# Altium PCB MB1720.PcbDoc (part 1 of 3)
Units mm, origin at the board's own origin, x right, y up, seen from the top; angles counter-clockwise.
Board outline 62.41 x 34.1 mm, 4 copper layers (Top Layer, MidLayer 1, MidLayer 2, Bottom Layer), stack 1.594 mm thick; 78 components, 65 nets, 237 pads, 1423 vias.
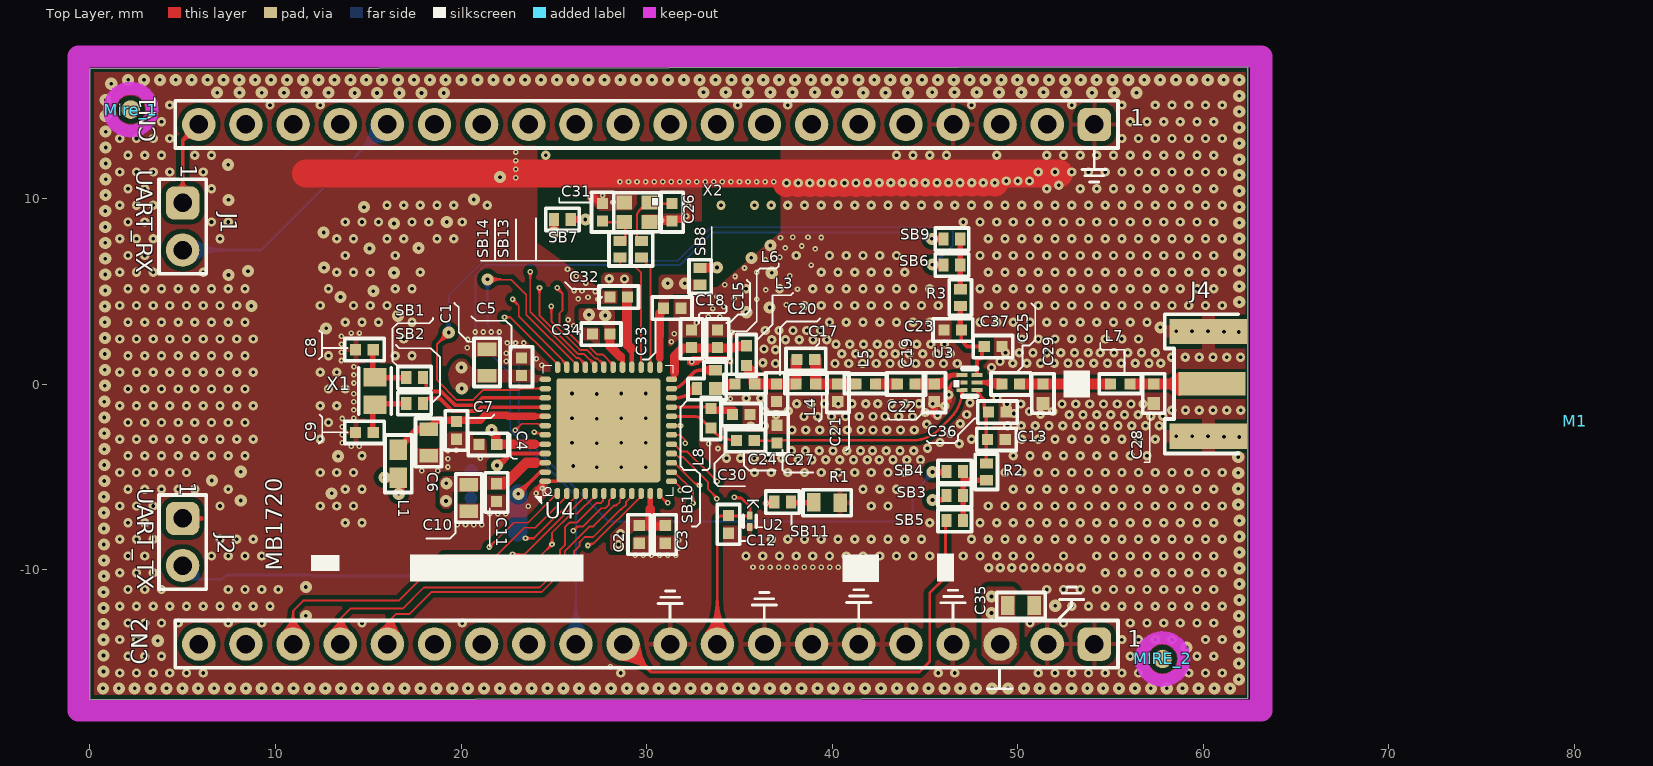
[diagram p0: Top Layer view]
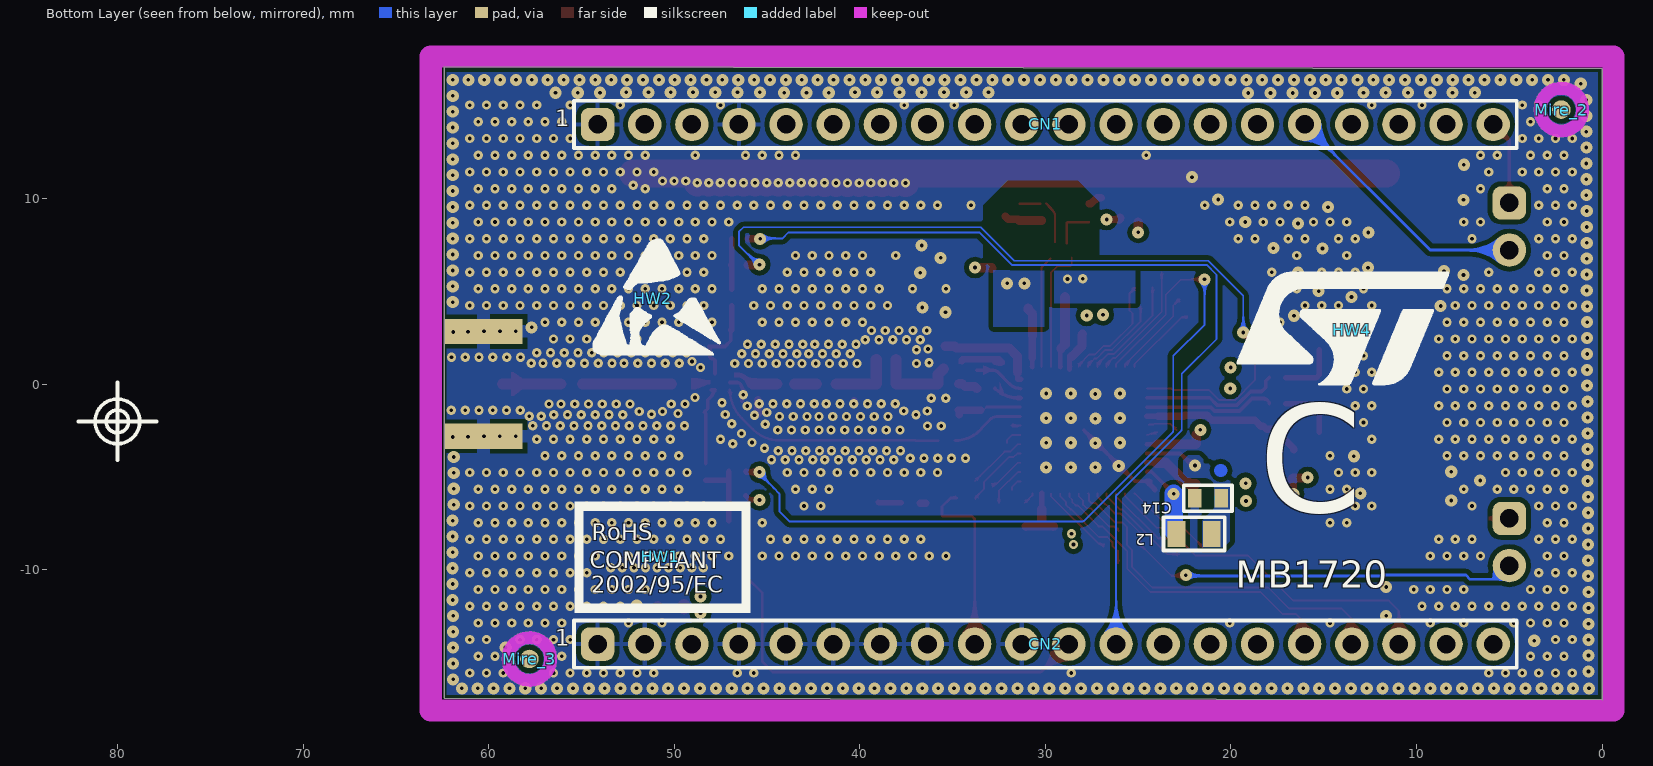
[diagram p1: Bottom Layer view, seen from below]
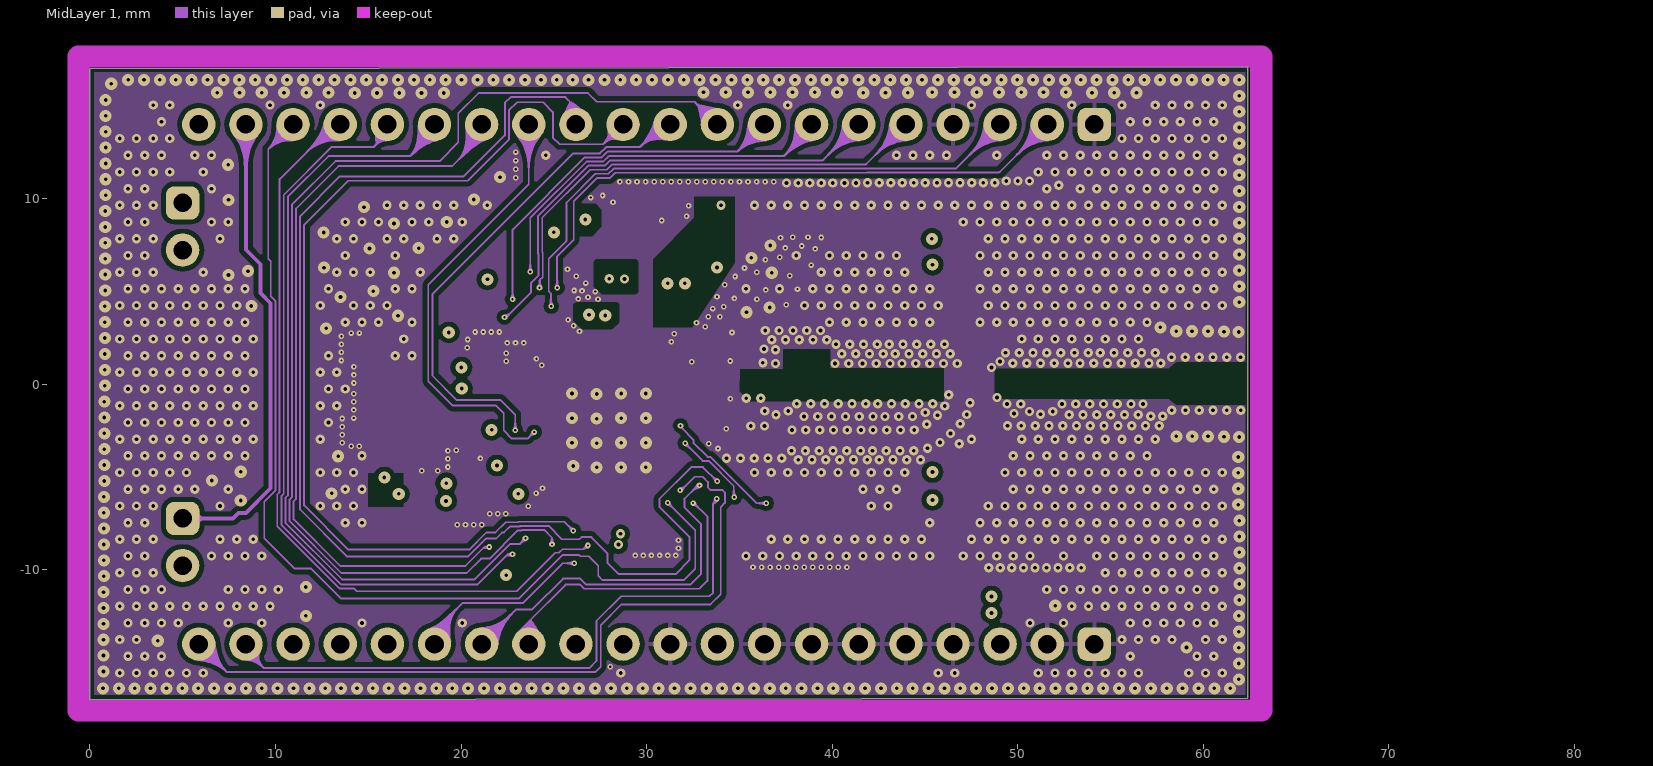
[diagram p2: MidLayer 1]
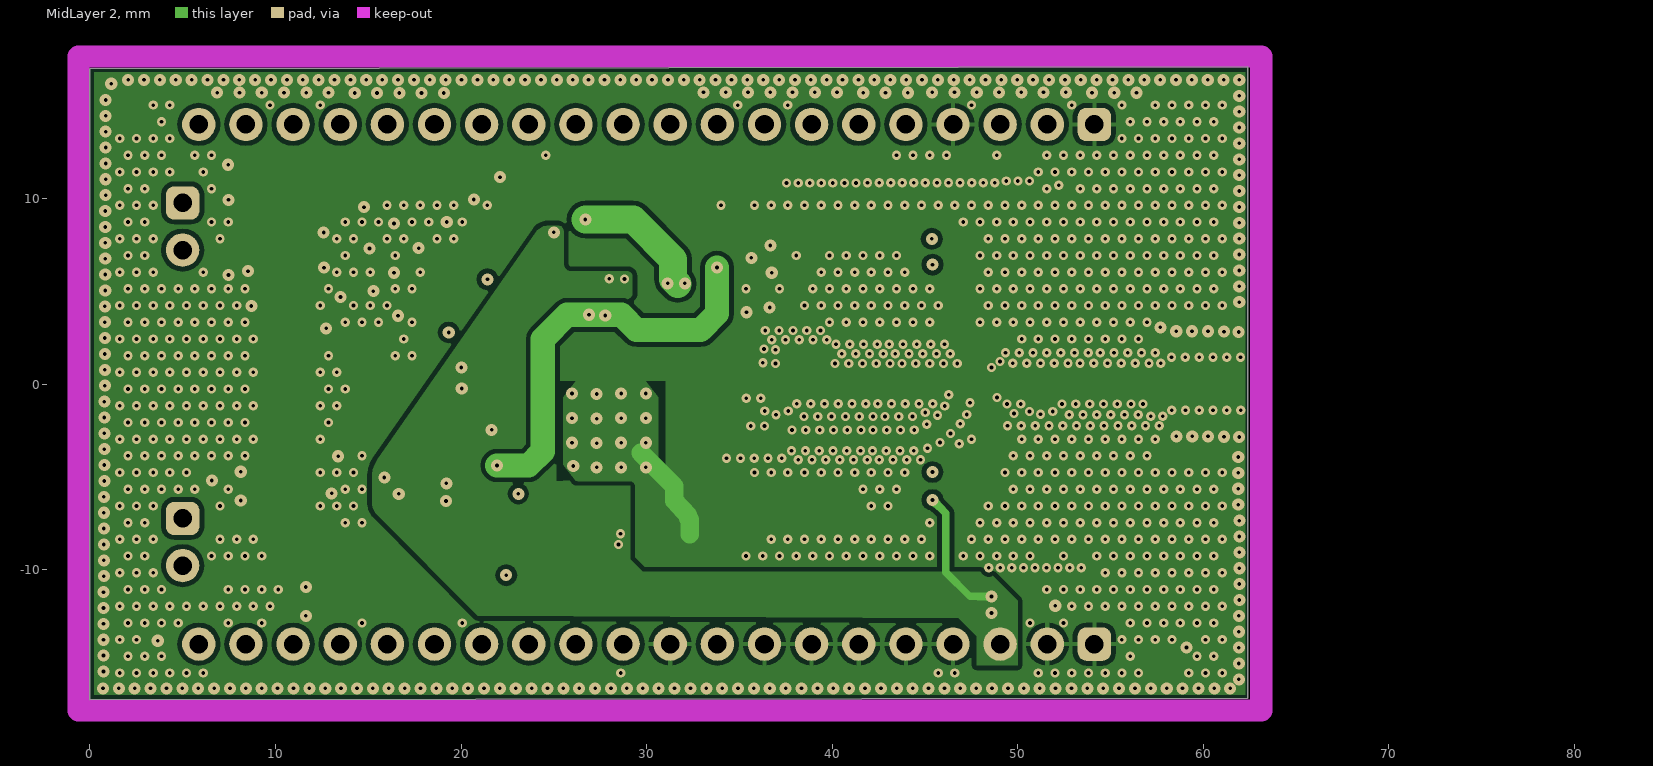
[diagram p3: MidLayer 2]
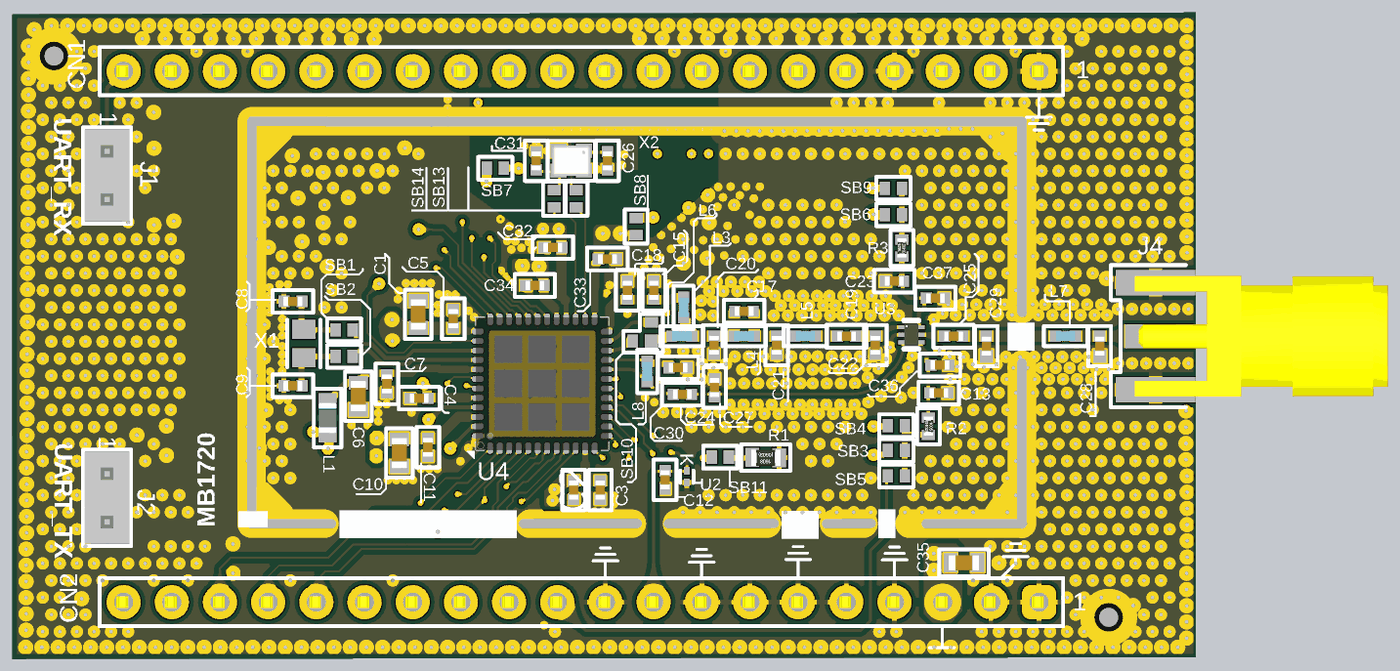
[diagram p6: 3D render of the assembled board from above, using the file's embedded part models]
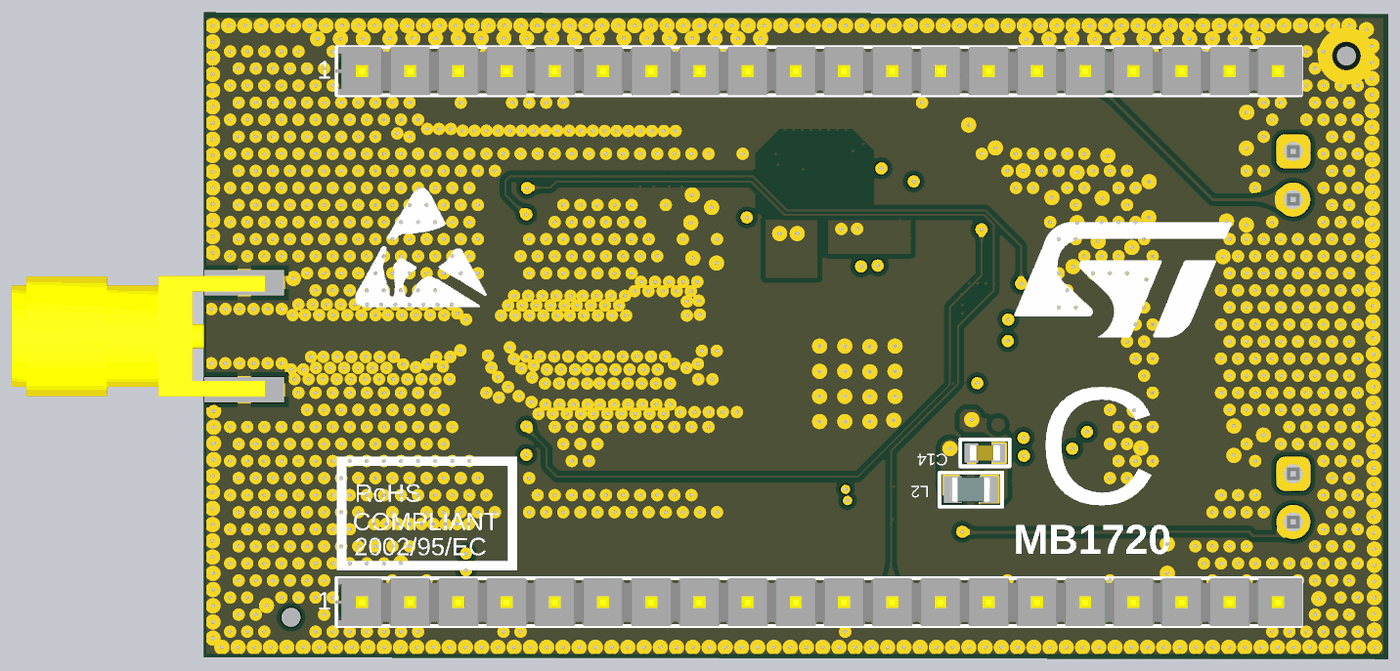
[diagram p7: 3D render of the assembled board from below, using the file's embedded part models]

## Layer stack, top to bottom
Top Solder: solder mask 0.02, Solder Resist, Dk 3.5
Top Layer: signal copper 0.054
Dielectric 1: prepreg 0.108, 1 X 2116, Dk 3.6
MidLayer 1: signal copper 0.035
Dielectric 2: core 1.2, FR4 TG135, Dk 4.7
MidLayer 2: signal copper 0.035
Dielectric 3: prepreg 0.108, 1 X 2116, Dk 3.6
Bottom Layer: signal copper 0.054
Bottom Solder: solder mask 0.02, Solder Resist, Dk 3.5

## Board outline
0,-17 -0.009,17.005 62.391,17.098 62.401,-16.907

## Design rules (kind name [scope] priority, off if disabled: settings)
BoardOutlineClearance [All] p1 off: gap=0.6 ignorepadtopadclearanceinfootprint=FALSE
Clearance Clearance_2 [InNetClass('50Ohms')] p1: gap=0.19 ignorepadtopadclearanceinfootprint=TRUE except(0.14: SMDPad-Region; 0.15: SMDPad-SMDPad; 0.17: Track-SMDPad; 0.18: Track-Poly)
Clearance Clearance_1 [OnLayer('MidLayer 1')       and InPolygon vs All    and WithinRoom('RoomDefinition_BGA')] p2: gap=0.146 ignorepadtopadclearanceinfootprint=TRUE
Clearance Clearance_tab [(ObjectKind = 'Pad') And (Name Like 'Tab*-*') vs OnLayer('Keep-Out Layer')] p3: gap=0 ignorepadtopadclearanceinfootprint=TRUE
Clearance Clearance_Via_BGA [TouchesRoom('RoomDefinition_BGA') vs isvia or ispad or istrack] p4: gap=0.085 ignorepadtopadclearanceinfootprint=TRUE except(0.15: Arc-Region Track-Region SMDPad-Region THPad-Region Via-Region Region-Region; 0.25: Arc-Fill Arc-Poly Track-Fill Track-Poly SMDPad-Fill SMDPad-Poly THPad-Fill THPad-Poly Via-Fill Via-Poly Fill-Fill Fill-Poly Fill-Region Fill-Text Fill-Hole Poly-Poly Poly-Region Poly-Text Poly-Hole Region-Text Region-Hole)
Clearance Clearance_via_to_via [(ObjectKind = 'Via') And (Net <> 'GND') vs (ObjectKind = 'Via') And (Net <> 'GND')] p5: gap=0.65 ignorepadtopadclearanceinfootprint=TRUE
Clearance "Clearance_Polygon to All" [InPolygon] p6: gap=0.25 ignorepadtopadclearanceinfootprint=TRUE
Clearance [All] p7: gap=0.12 ignorepadtopadclearanceinfootprint=TRUE except(0.25: Arc-Via Track-Via SMDPad-Via THPad-Via Via-Fill Via-Poly Via-Region)
ComponentClearance [All] p1: gap=0 collisioncheckmode=3 verticalgap=0.1 showdistances=FALSE
DiffPairsRouting [InDifferentialPair('RFI')] p1: maxlimit=0.165 minlimit=0.165 mostfreqgap=0.165 toplayer_minwidth=0.08 toplayer_maxwidth=0.4 toplayer_prefwidth=0.145 midlayer1_minwidth=0.145 midlayer1_maxwidth=0.145 midlayer1_prefwidth=0.145 midlayer2_minwidth=0.145 midlayer2_maxwidth=0.145 midlayer2_prefwidth=0.145 bottomlayer_minwidth=0.145 bottomlayer_maxwidth=0.145 bottomlayer_prefwidth=0.145 maxuncoupledlength=12.7
HoleSize [All] p1: absolutevalues=TRUE maxlimit=10 minlimit=0.025 maxpercent=80.000 minpercent=20.000
MaximumViaCount [All] p1: limit=3
MinimumSolderMaskSliver [All] p1: minsoldermaskwidth=0.1
PlaneConnect [InNet('GND')] p1: planeconnectstyle=Relief reliefexpansion=0.508 reliefentries=4 reliefconductorwidth=0.21 reliefairgap=0.21
PolygonConnect PolygonConnect_6 [InNet('VDDRF1V55')] p1: connectstyle=Direct reliefconductorwidth=0.254 reliefentries=4 polygonreliefangle="90 Angle" airgapwidth=0.254
PolygonConnect PolygonConnect_5 [InNet('VDDRF1V55')] p2: connectstyle=Direct reliefconductorwidth=0.254 reliefentries=4 polygonreliefangle="90 Angle" airgapwidth=0.254
PolygonConnect PolygonConnect_4 [InNet('vDDRF')] p3: connectstyle=Direct reliefconductorwidth=0.254 reliefentries=4 polygonreliefangle="90 Angle" airgapwidth=0.254
PolygonConnect PolygonConnect_3 [InNet('VDDPA')] p4: connectstyle=Direct reliefconductorwidth=0.254 reliefentries=4 polygonreliefangle="90 Angle" airgapwidth=0.254
PolygonConnect PolygonConnect_1 [InNet('VDDRF1V55')] p5: connectstyle=Direct reliefconductorwidth=0.254 reliefentries=4 polygonreliefangle="90 Angle" airgapwidth=0.254
PolygonConnect [InNet('VDD')] p6: connectstyle=Direct reliefconductorwidth=0.254 reliefentries=4 polygonreliefangle="90 Angle" airgapwidth=0.254
PolygonConnect PolygonConnect_VRPA [InNet('VRPA')] p7: connectstyle=Direct reliefconductorwidth=0.254 reliefentries=4 polygonreliefangle="90 Angle" airgapwidth=0.254
PolygonConnect PolygonConnect_RF [(ObjectKind = 'Pad') And (Name = 'C30-1')           or (ObjectKind = 'Pad') And (Name = 'C27-1')] p8: connectstyle=Direct reliefconductorwidth=0.254 reliefentries=4 polygonreliefangle="90 Angle" airgapwidth=0.254
PolygonConnect PolygonConnect_J1 [(ObjectKind = 'Pad') And (Name = 'J1-2')] p9: connectstyle=Direct reliefconductorwidth=0.254 reliefentries=4 polygonreliefangle="90 Angle" airgapwidth=0.254
PolygonConnect PolygonConnect_All [All] p10: thpad.connectstyle=Relief thpad.reliefconductorwidth=0.25 thpad.reliefentries=4 thpad.polygonreliefangle="90 Angle" thpad.airgapwidth=0.25 smdpad.connectstyle=Relief smdpad.reliefconductorwidth=0.25 smdpad.reliefentries=4 smdpad.polygonreliefangle="90 Angle" smdpad.airgapwidth=0.25 via.connectstyle=Direct via.reliefconductorwidth=0.2 via.reliefentries=4 via.polygonreliefangle="90 Angle" via.airgapwidth=0.25
RoutingLayers "RoutingLayers_90 Ohms" [InDifferentialPairClass('All Differential Pairs')] p1: top layer_v5=TRUE mid layer 1_v5=TRUE mid layer 2_v5=TRUE bottom layer_v5=TRUE
RoutingLayers [All] p2: top layer_v5=TRUE mid layer 1_v5=TRUE mid layer 2_v5=TRUE bottom layer_v5=TRUE
RoutingVias RoutingVias_BGA [InDrillLayerPair('Top Layer - MidLayer 1')] p1: holewidth=0.125 width=0.25 viastyle="Through Hole" minholewidth=0.125 minwidth=0.25 maxholewidth=0.125 maxwidth=0.3
RoutingVias [All] p2: holewidth=0.2 width=0.65 viastyle="Through Hole" minholewidth=0.2 minwidth=0.5 maxholewidth=0.2 maxwidth=0.65
ShortCircuit [(ObjectKind = 'Via') And (DrillPair = 'Top Layer - MidLayer 1') vs Ispad] p1: allowed=TRUE
SilkToSilkClearance [All] p1: silktosilkclearance=0.2
SilkToSolderMaskClearance [IsPad] p1: minsilkscreentomaskgap=0.2 clearancetoexposedcopper=TRUE
SolderMaskExpansion SolderMaskExpansion_VIA [IsVia] p1: expansion=-0.2 istentingtop=FALSE
SolderMaskExpansion [All] p2: expansion=0.075 istentingtop=FALSE
Width Width_BGA [OnLayer('Top Layer')      and WithinRoom('RoomDefinition_BGA')] p1: maxlimit=0.08 minlimit=0.08 preferedwidth=0.08 minimp=50.000000 maximp=50.000000 favimp=50.000000
Width Width_50Ohms [InNetClass('50Ohms')] p2: maxlimit=0.7 minlimit=0.097 preferedwidth=0.5 toplayer_minwidth=0.14 midlayer1_maxwidth=0.5 midlayer2_minwidth=0.2 midlayer2_maxwidth=0.5 bottomlayer_minwidth=0.2 bottomlayer_maxwidth=0.5 minimp=50.000000 maximp=50.000000 favimp=50.000000
Width [All] p3: maxlimit=2 minlimit=0.08 preferedwidth=0.15 toplayer_minwidth=0.097 toplayer_maxwidth=1.5 midlayer1_maxwidth=1 midlayer2_minwidth=0.1 bottomlayer_minwidth=0.1 bottomlayer_maxwidth=1.5 minimp=50.000000 maximp=50.000000 favimp=50.000000
21 further rules are at their usual default settings.

## Classes and differential pairs
net class 50Ohms: NetC17_1 NetC17_2 NetC19_1 NetC19_2 NetC24_2 NetC25_1 NetC25_2 NetC28_1
component class STM32WL_UFQFPN48_Ref_Board: C1 C2 C3 C4 C5 C6 C7 C8 C9 C10 C11 C12 C13 C14 C15 C17 C18 C19 C20 C21 C22 C23 C24 C25 C26 C27 C28 C29 C30 C31 C32 C33 C34 C35 C36 C37 CN1 CN2 J1 J2 J4 L1 L2 L3 L4 L5 L6 L7 L8 R1 R2 R3 SB1 SB2 SB3 SB4 SB5 SB6 SB7 SB8 SB9 SB10 SB11 SB13 SB14 U2 U3 U4 X1 X2
differential pair RFI: +RFI_P -RFI_N

## Components (designator, comment, footprint, x,y, rotation, side; value= is the part's Value field where it differs from the comment)
C1 "" CAPC1608X09N 21.4,1.175 r270 top value=4.7uF
C2 "" CAPC1005X06N 29.6,-8.09 r90 top value=100nF
C3 "" CAPC1005X06N 31,-8.09 r90 top value=100nF
C4 "" CAPC1005X06N 21.449,-3.241 r0 top value=100nF
C5 "" CAPC1005X06N 23.251,0.95 r270 top value=100nF
C6 "" CAPC1608X09N 18.249,-3.139 r270 top value=4.7uF
C7 "" CAPC1005X06N 19.749,-2.488 r270 top value=100nF
C8 "Capacitor" CAPC1005X06N 14.798,1.862 r180 top value="5.1 pF"
C9 "Capacitor" CAPC1005X06N 14.798,-2.589 r180 top value="5.1 pF"
C10 "" CAPC1608X09N 20.411,-6.134 r270 top value=4.7uF
C11 "" CAPC1005X06N 21.911,-5.832 r270 top value=100nF
C12 "" CAPC1005X06N 34.413,-7.549 r270 top value=100nF
C13 "" CAPC1005X06N 48.847,-2.973 r180 top value=1nF
C14 "" CAPC1608X09N 21.243,-6.136 r0 bottom value="0.47 uF"
C15 "" CAPC1005X06N 33.823,2.45 r90 top
C17 "" CAPC1005X06N 38.581,1.345 r0 top
C18 "" CAPC1005X06N 32.423,2.45 r270 top
C19 "" CAPC1005X06N 43.98,0.025 r180 top
C20 "" CAPC1005X06N 37,-0.45 r270 top
C21 "" CAPC1005X06N 40.299,-0.45 r90 top
C22 "" CAPC1005X06N 45.5,-0.45 r90 top
C23 "" CAPC1005X06N 46.5,2.926 r0 top value=1nF
C24 "" CAPC1005X06N 35.325,-3.035 r0 top
C25 "" CAPC1005X06N 49.625,0.025 r0 top
C26 "Capacitor" CAPC1005X06N 31.375,9.275 r270 top value=N/C
C27 "" CAPC1005X06N 37.025,-2.686 r270 top
C28 "" "CAPC1005X06N - DUPLICATE - DUPLICATE" 57.325,-0.5 r270 top
C29 "" "CAPC1005X06N - DUPLICATE - DUPLICATE" 51.35,-0.5 r270 top
C30 "" CAPC1005X06N 35.1,-1.635 r180 top
C31 "Capacitor" CAPC1005X06N 27.625,9.275 r90 top value=N/C
C32 "" CAPC1005X06N 28.5,4.7 r0 top value=33pF
C33 "" CAPC1005X06N 31.375,4.1 r180 top value=33pF
C34 "" CAPC1005X06N 27.55,2.7 r0 top value=33pF
C35 "" CAPC1608X09N 50.171,-11.918 r0 top value=4.7uF
C36 "Capa_0402" CAPC1005X06N 48.901,-1.5 r180 top value="10 pF"
C37 "Capa_0402" CAPC1005X06N 48.667,2.031 r180 top value="10 pF"
CN1 "CON20" CO_SAMTEC_TSW-120-07-X-S 30,14 r180 bottom
CN2 "CON20" CO_SAMTEC_TSW-120-07-X-S 30,-14 r180 bottom
HW1 "Logo" LOGO_ROHS 50.75,-9.3 r180 bottom value="LOGO ROHS"
HW2 "Logo" LOGO_MAIN 51.15,4.6 r180 bottom value="LOGO ESD"
HW4 "Logo" LOGO_ST 13.5,2.9 r180 bottom value="LOGO ST"
J1 "HEADER_1X2_L" CO_MOLEX_22-03-2021 5,8.5 r270 top
J2 "HEADER_1X2_L" CO_MOLEX_22-03-2021 5,-8.5 r270 top
J4 "SMA_T_9.52_NF" CO_SAMTEC_SMA-J-P-ST-EMI 62.37,0.025 r90 top locked
L1 "" INDC1608X95N 16.624,-4.286 r90 top value=600R@100MHz
L2 "" INDC2012X13N 21.985,-8.061 r0 bottom value=15µH
L3 "" IND_MURATA_LQW15A 35.388,1.545 r90 top
L4 "" IND_MURATA_LQW15A 38.581,0.02 r0 top
L5 "" IND_MURATA_LQW15A 41.807,0.025 r0 top
L6 "" IND_MURATA_LQW15A 35.298,0.019 r180 top
L7 "" IND_MURATA_LQW15A 55.525,0.025 r0 top
L8 "" IND_MURATA_LQW15A 33.475,-1.835 r90 top
M1 "Comment" "MIRE PCB" 80,-2 r0 top locked
Mire_1 "Comment" MIRE#1 2.2,14.8 r0 top
MIRE_2 "Comment" MIRE#1 57.8,-14.8 r0 top
Mire_2 "Comment" MIRE#1 2.2,14.8 r180 bottom
Mire_3 "Comment" MIRE#2 57.8,-14.8 r180 bottom
R1 "" RESC1608X05N 39.723,-6.381 r180 top value=10K
R2 "" RESC1005X04N 48.303,-4.723 r270 top value=100R
R3 "" RESC1005X04N 46.9,4.676 r90 top value=100R
SB1 "Close" SB_0402 17.493,0.362 r180 top value=0
SB2 "Close" SB_0402 17.493,-1.039 r180 top value=0
SB3 "Close" SB_0402 46.603,-5.999 r0 top value=0
SB4 "Open" SB_0402 46.603,-4.699 r0 top
SB5 "Open" SB_0402 46.603,-7.348 r0 top
SB6 "Close" SB_0402 46.454,6.426 r0 top value=0
SB7 "Open" SB_0402 25.465,8.885 r180 top
SB8 "Close" SB_0402 32.887,5.808 r270 top value=0
SB9 "Open" SB_0402 46.454,7.826 r0 top
SB10 "SB_3Pads" SB3PADS_0402 33.689,0.292 r90 top
SB11 "Close" SB_0402 37.323,-6.349 r180 top value="0 ohm"
SB13 "Close" SB_0402 29.725,7.275 r90 top value=0
SB14 "Close" SB_0402 28.575,7.275 r90 top value=0
U2 "" DIOM0603X03N 35.563,-7.382 r270 top
U3 "BGS12SN6" SON40P70X40-6N 47.4,0.1 r0 top locked
U4 "STM32WLxx_QFN48" STM32WLXX_QFN48 27.94,-2.479 r90 top locked
X1 "XTAL_2_PINS" OSC_NDK_NX2012SA 15.368,-0.364 r90 top value=32.768KHz
X2 "" OSC_NDK_NX2016SA 29.475,9.275 r180 top value=32MHz

## Footprints (in the part's own frame and the unit in brackets; to place one, negate y for a bottom-side part, rotate by r counter-clockwise, add the part's x,y. Pads: shape width x height; smd on the part's side, far side on the other; paste and mask are expansions set on the pad)
CAPC1005X06N [mm] "Chip Capacitor, 2-Leads, Body 1.00x0.70x0.70mm (0402)"
  rect 0.6x0.6 smd: 1(-0.475,0) 2(0.475,0)
  silkscreen extent -1.07,-0.6 1.07,0.6, body extent -0.5,-0.25 0.5,0.25, height 0.6
"CAPC1005X06N - DUPLICATE - DUPLICATE" [mm] "Chip Capacitor, 2-Leads, Body 1.00x0.70x0.70mm (0402)"
  rect 0.6x0.6 smd: 1(-0.525,0)
  rect 0.7x0.7 smd: 2(0.525,0)
  silkscreen extent -1.07,-0.6 1.07,0.6, body extent -0.5,-0.25 0.5,0.25, height 0.6
CAPC1608X09N [mm] "Chip Capacitor, 2-Leads, Body 1.60x0.80x0.90mm (0603)"
  rect 0.725x1 smd: 1(-0.713,0) 2(0.713,0)
  Top Layer pour cut-out: -0.3,0.7 0.3,0.7 0.3,-0.7 -0.3,-0.7
  silkscreen extent -1.3,-0.7 1.3,0.7, body extent -0.8,-0.4 0.8,0.4, height 0.9
CO_MOLEX_22-03-2021 [mm]
  rrect50% 1.8x1.8 hole 1: 1(-1.27,0)
  round 1.8 hole 1: 2(1.27,0)
  silkscreen extent -2.54,-1.27 2.54,1.27, body extent -2.41,-1.18 2.41,1.18, height 10.79
CO_SAMTEC_SMA-J-P-ST-EMI [mm] "SMA Jack CMS, Edge Mountt Receptacle 50Ohm, 5-Leads, Body 6.35x6.35x9.52mm, pitch 2.825mm"
  rect 1.27x3.6 smd mask+0.05: 1(0,1.9)
  rect 1.35x4.2 smd mask+0.05: 2(-2.825,2.1) 2(2.825,2.1)
  rect 1.35x4.2 smd far side mask+0.05: 2(-2.825,2.1) 2(2.825,2.1)
  silkscreen extent -3.75,0.5 3.75,4.45, body extent -3.17,-10.13 3.17,3.2, height 3.8
CO_SAMTEC_TSW-120-07-X-S [mm] "Header, 20-Leads, 50.80x2.54x10.80mm, Pitch 2.54mm"
  rrect50% 1.8x1.8 hole 1: 1(-24.13,0)
  round 1.8 hole 1: 2(-21.59,0) 3(-19.05,0) 4(-16.51,0) 5(-13.97,0) 6(-11.43,0) 7(-8.89,0) 8(-6.35,0) 9(-3.81,0) 10(-1.27,0) 11(1.27,0) 12(3.81,0) 13(6.35,0) 14(8.89,0) 15(11.43,0) 16(13.97,0) 17(16.51,0) 18(19.05,0) 19(21.59,0) 20(24.13,0)
  silkscreen extent -25.4,-1.27 25.4,1.27, body extent -25.46,-1.27 25.46,1.27, height 8.38
DIOM0603X03N [mm] "Molded Diode, 2-Leads, Body 0.60x0.30mm"
  rect 0.425x0.3 smd: 1(-0.313,0) 2(0.313,0)
  silkscreen extent -0.33,-0.35 0.33,0.35, body extent -0.32,-0.18 0.33,0.18, height 0.33
IND_MURATA_LQW15A [mm] "Inductor 2-Leads,Body 1.10x0.70x0.60mm(max)"
  rect 0.6x0.6 smd: 1(-0.53,0) 2(0.53,0)
  silkscreen extent -1.14,-0.53 1.14,0.53, body extent -0.5,-0.3 0.5,0.3, height 0.51
INDC1608X95N [mm] "Chip Inductor, 2-Leads, Body 1.75x0.95x0.95mm (0603)"
  rect 1.1x0.95 smd: 1(-0.75,0) 2(0.75,0)
  silkscreen extent -1.55,-0.72 1.55,0.72, body extent -0.8,-0.48 0.8,0.47, height 0.8
INDC2012X13N [mm] "Chip Inductor, 2-Leads, Body 2.0x1.2x1.3 (0805)"
  rect 0.96x1.4 smd: 1(-0.952,0) 2(0.952,0)
  silkscreen extent -1.65,-0.9 1.65,0.9, body extent -1,-0.65 1,0.65, height 1.18
LOGO_MAIN [mm]
  silkscreen extent -3.24,-3.02 3.65,3.22
LOGO_ROHS [mm]
  silkscreen extent -4.63,-3.03 4.87,2.98
LOGO_ST [mm]
  silkscreen extent -6.18,-2.95 5.25,3.14
MIRE#1 [mm] "Fiducial Target Round , Pad 1.0mm, Keepout 3mm"
  round 1 smd mask+1: 1(0,0)
  Top Layer keep-out circle w0.7: c0,0 r1.15
  body extent -0.5,-0.5 0.5,0.5, height 0.04
MIRE#2 [mm] "Fiducial Target Round , Pad 1.0mm, Keepout 3mm"
  round 1 smd: 1(0,0)
  Top Layer keep-out circle w0.7: c0,0 r1.15
  body extent -0.5,-0.5 0.5,0.5, height 0.04
"MIRE PCB" [mm]
OSC_NDK_NX2012SA [mm] "Crystal, 2-Leads, Body 2.05x1.20x0.55mm (Tol:-/+0.05)"
  rect 1x1.25 smd: 1(-0.75,0) 2(0.75,0)
  silkscreen extent -1.25,-0.87 1.25,0.87, body extent -1.04,-0.63 1.03,0.63, height 0.55
OSC_NDK_NX2016SA [mm] "Crystal, 4-Leads, Body 2.10x1.61x0.50mm (max), Pitch 1.35x1.05mm"
  rect 0.85x0.75 smd: 1(-0.675,-0.525) 2(0.675,-0.525) 3(0.675,0.525) 4(-0.675,0.525)
  silkscreen extent -1.25,-1.05 1.25,1.05, body extent -1,-0.8 1,0.8, height 0.5
RESC1005X04N [mm] "Chip Resistor, 2-Leads, Body 1.00x0.50mm (0402)"
  rect 0.55x0.7 smd: 1(-0.45,0) 2(0.45,0)
  silkscreen extent -0.95,-0.6 0.95,0.6, body extent -0.5,-0.25 0.5,0.25, height 0.35
RESC1608X05N [mm] "Chip Resistor, 2-Leads, Body 1.60x0.80mm (0603)"
  rect 0.725x1 smd: 1(-0.713,0) 2(0.712,-0.016)
  Top Layer pour cut-out: -0.3,0.7 0.3,0.7 0.3,-0.7 -0.3,-0.7
  silkscreen extent -1.3,-0.7 1.3,0.7, body extent -0.77,-0.42 0.78,0.43, height 0.45
SB3PADS_0402 [mm] "Solder Bridge 0 Ohm (0402)"
  rect 0.55x0.7 smd: 1(0.466,-0.009)
  rect 0.7x0.7 smd: 2(-0.517,-0.009)
  rect 0.7x0.55 smd: 3(-0.517,0.974)
  silkscreen extent -1.13,-0.61 0.91,1.46, body extent -0.79,-0.05 -0.29,0.95, height 0.25
SB_0402 [mm] "Solder Bridge 0 Ohm (0402)"
  rect 0.55x0.7 smd: 1(-0.45,0) 2(0.45,0)
  silkscreen extent -0.9,-0.6 0.9,0.6, body extent -0.5,-0.25 0.5,0.25, height 0.25
SON40P70X40-6N [mm] "SON, 6-Leads, Body 1.10x0.70mm, Pitch 0.40mm"
  rect 0.6x0.225 smd: 1(-0.4,0.4) 2(-0.4,0) 3(-0.4,-0.4) 4(0.4,-0.4) 5(0.4,0) 6(0.4,0.4)
  silkscreen extent -0.38,-0.75 0.38,0.75, body extent -0.38,-0.58 0.38,0.58, height 0.4
STM32WLXX_QFN48 [mm] "QFN48 7x7x0.55mm pitch 0.5mm"
  oct 0.6x0.3 smd mask+0.06: 1(-3.398,2.746) 2(-3.398,2.239) 3(-3.398,1.739) 4(-3.398,1.239) 5(-3.398,0.739) 6(-3.398,0.239) 7(-3.398,-0.261) 8(-3.398,-0.761) 9(-3.398,-1.261) 10(-3.398,-1.761) 11(-3.398,-2.261) 12(-3.398,-2.761) 25(3.398,-2.761) 26(3.398,-2.261) 27(3.398,-1.761) 28(3.398,-1.261) 29(3.398,-0.761) 30(3.398,-0.261) 31(3.398,0.239) 32(3.398,0.739) 33(3.398,1.239) 34(3.398,1.739) 35(3.398,2.239) 36(3.398,2.739)
  oct 0.3x0.6 smd mask+0.06: 13(-2.752,-3.399) 14(-2.252,-3.399) 15(-1.752,-3.399) 16(-1.252,-3.399) 17(-0.752,-3.399) 18(-0.252,-3.399) 19(0.248,-3.399) 20(0.748,-3.399) 21(1.248,-3.399) 22(1.748,-3.399) 23(2.248,-3.399) 24(2.748,-3.399) 37(2.748,3.399) 38(2.248,3.399) 39(1.748,3.399) 40(1.248,3.399) 41(0.748,3.399) 42(0.248,3.399) 43(-0.252,3.399) 44(-0.752,3.399) 45(-1.252,3.399) 46(-1.752,3.399) 47(-2.252,3.399) 48(-2.752,3.399)
  rrect5% 5.6x5.6 smd paste-3 mask+0.08: 49(0,0)
  silkscreen extent -3.95,-3.5 3.5,3.96, body extent -3.51,-3.51 3.51,3.51, height 0.78

## Part data
C1 C6 C10 C35: library part MCD-00009, "Capacitor, MLCC, 4.7uF, 16V, X5R, 10%, 0603, T=0.8mm", Manufacturer=YAGEO, Manufacturer_Part_Number=CC0603KRX5R7BB475, Package=C0603
C2 C3 C4 C5 C7 C11 C12: library part MCD-00102, "Capacitor, MLCC, 100nF, 16V, X7R, 10%, 0402, T=0,5mm", Manufacturer=YAGEO, Manufacturer_Part_Number=CC0402KRX7R7BB104, Package=C0402
C8 C9: library part MCD-00003, "Capacitor, MLCC, 5.1 pF, 50V, NPO, +-0.1pF, 0402, T=0.5mm", Manufacturer=YAGEO, Manufacturer_Part_Number=CC0402CRNPO9BN5R1
C13 C23: library part MCD-00198, "Capacitor, MLCC, 1nF, 16V, X7R, 10%, 0402, T=0.5mm", Manufacturer=YAGEO, Manufacturer_Part_Number=CC0402KRX7R7BB102
C14: library part MCD-00009, "Capacitor, MLCC, 4.7 uF, 16V, X5R, 10%, 0603, T=0.8mm", Manufacturer=YAGEO, Manufacturer_Part_Number=CC0603KRX5R7BB474, Package=C0603
C15 C17 C18 C19 C22 C24 C25 C27 C30: library part MCD-01123
C20 C29: library part MCD-00102, Package=C0402
C21: library part MCD-00015
C26 C31: library part MCD-00003, "Capacitor, MLCC, 6.8pF, 50V, NPO, +-0.1pF, 0402, T=0.5mm"
C28: library part Capacitor, Package=C0402
C32 C33 C34: library part MCD-00277, "Capacitor, MLCC, 33pF, 50V, NPO, 2%, 0402, T=0,5mm", Manufacturer=MURATA, Manufacturer_Part_Number=GJM1555C1H330GB01D
C36 C37: "10pF ±1% 50V Ceramic Capacitor C0G, NP0 0402 (1005 Metric)", Manufacturer=MURATA, Manufacturer_Part_Number=GJM1555C1H100FB01D
CN1 CN2: "Connector right-angle, pitch 2.54mm, 20 contacts", Manufacturer=SAMTEC, Manufacturer_Part_Number=TSW-120-07-L-S
HW1: library part MCD-00628, "\"ROHS\" logo footprint for PCB", ECCN_EU=n/a, ECCN_US=n/a, Initial_Board_Reference=MB1331, Internal_Part_Number=MCD-00628, Part_Type=Mechanical, Provided_By=n/a, Status=Released
HW2: library part MCD-00627, "\"Hand\" ESD logo footprint for PCB", ECCN_EU=n/a, ECCN_US=n/a, Initial_Board_Reference=MB1331, Internal_Part_Number=MCD-00627, Part_Type=Mechanical, Provided_By=n/a, Status=Released
HW4: library part MCD-00625, "\"STMicroelectronics\" logo footprint for PCB", ECCN_EU=n/a, ECCN_US=n/a, Initial_Board_Reference=MB1331, Internal_Part_Number=MCD-00625, Part_Type=Mechanical, Provided_By=n/a, Status=Released
J1 J2: "Header 1x2 Through hole 2.54mm", Manufacturer=MOLEX, Manufacturer_Part_Number=22-03-2021
J4: "SMA Jack, Edge Mount, 50 Ohms", Manufacturer=SAMTEC, Manufacturer_Part_Number=SMA-J-P-H-ST-EM1
L1: library part MCD-00047, "SMD Chip ferrite bead, 600R@100MHz +/-25%, 350mA, 500mohm DC, 0603, T=0.8mm", Manufacturer=TAI-TECH, Manufacturer_Part_Number=FCM1608KF-601T03
L2: library part MCD-01433, "MLZ2012 Multilayer Shielded Inductor 15µH, ±5%", Manufacturer=TDK, Manufacturer_Part_Number=MLZ2012M150W
L3 L4 L5 L6 L7 L8: library part MCD-01330
R1: library part MCD-00220, "Resistor,10K,0603,1%,1/10W", Manufacturer=YAGEO, Manufacturer_Part_Number=RC0603FR-0710KL
R2 R3: library part MCD-00119, "Resistor,100R,0402,1%,1/16W", Manufacturer=YAGEO, Manufacturer_Part_Number=RC0402FR-07100RL
SB1 SB2 SB3 SB6 SB8 SB11 SB13 SB14: library part SB_0Ohm, "Solder Bridge 0R [0402] (Populated with 0 Ohm)", Manufacturer="Vishay / Dale", Manufacturer_Part_Number=RCS04020000Z0ED, Revision="July-2002: Re-released for DXP Platform."
SB4 SB5 SB7 SB9: library part SB_Open, "Solder Bridge Open [0402] (Unpopulated)", Revision="July-2002: Re-released for DXP Platform."
SB10: "Solder Bridge"
U2: library part MCD-00170, "ESD protection 6V1", Manufacturer=STMICROELECTRONICS, Manufacturer_Part_Number=ESDALC6V1-1U2
U3: "DC switch - Ultra-Low  SPDT analog switch", Manufacturer=INFINEON, Manufacturer_Part_Number=BGS12SN6
U4: "HQDC : Verified April, 25 2019", Manufacturer=STMicroelectronics, Manufacturer_Part_Number=STM32WLxxxx
X1: library part MCD-01479, "Crystal 32.768kHz, 6pF, -+20PPM, R=80K, SMD", Manufacturer=NDK, Manufacturer_Part_Number="NX2012SA 32.768KHz EXS00A-MU00527"
X2: library part MCD-01446, "Crystal 32 MHz, 8pF, -+10 PPM, R=60Ω, SMD", Manufacturer=NDK, Manufacturer_Part_Number="NX2016SA 32MHz EXS00A-CS06465"

## Via types
v1: diameter 0.5, hole 0.2, Top Layer to Bottom Layer, 924 vias
v2: diameter 0.65, hole 0.2, Top Layer to Bottom Layer, 327 vias
v3: diameter 0.3, hole 0.125, Top Layer to MidLayer 1, 172 vias